# KiCad board 8851_HW-U1-VCU118_REV2-0_071417.kicad_pcb (continued)
## Routing (per net, layer and track width the routed paths; a pad name or vN(x,y) marks a point on that pad's centre or on a via; arc(x,y) is an arc through that point) (continued)
  07_SIG3 w0.258: 81,36.42 81.11,36.31 81.11,35.66 81.23,35.54 81.51,35.54 81.65,35.67 81.65,36.64 81.77,36.76 82.04,36.76 82.2,36.61 82.2,35.67 82.33,35.54 82.61,35.54 82.75,35.67 82.75,36.64 82.87,36.76 83.14,36.76 83.3,36.61 83.3,36 83.44,35.86 83.71,35.86 83.85,36 83.85,36.32 85.06,37.54 92.76,37.54 96.14,40.92 97.21,40.92 97.89,41.6
  BOTTOM w0.15: 79.48,36.46 v1(79.88,36.85)
DDR4_C1_DQ9: length 53.9
  TOP w0.15: 107.02,60.38 v2(106.53,59.88)
  07_SIG3 w0.17: v2(106.53,59.88) 107.02,59.39 107.02,58.7 106.74,58.41 106.33,58.41 106.04,58.12 106.04,54.72 105.79,54.47 105.33,54.47 105.1,54.25 105.1,53.7 104.88,53.47 104.35,53.47 104.05,53.17 104.05,52.85 103.67,52.47 103.33,52.47 103.08,52.22 103.08,51.78 102.8,51.5 102.35,51.5 102.1,51.25 102.1,50.85 101.83,50.58 100.45,50.58 100.18,50.31 100.18,49.88 99.83,49.53 99.45,49.53 99.14,49.22 99.14,48.81 98.96,48.62 98.39,48.62 98.12,48.36 98.12,47.87 97.81,47.56 96.5,47.56 96.22,47.28 96.22,44.85 95.95,44.58 95.44,44.58 95.28,44.41 95.28,43.99 94.86,43.58 94.5,43.58 94.07,43.14 94.07,42.32 94.16,42.22 94.16,42.04 94.01,41.9 93.77,41.9 93.71,41.96 93.5,41.96 92.79,41.25 ; v1(79.09,40.79) 79.48,40.4 80.9,40.4
  07_SIG3 w0.258: 80.9,40.4 82.88,40.4 83.36,39.91 83.72,39.91 83.97,40.16 83.97,40.79 83.78,40.98 83.78,41.75 83.98,41.95 84.19,41.95 84.96,41.19 85.18,41.19 85.33,41.34 85.33,41.54 84.56,42.32 84.56,42.53 84.78,42.75 85.33,42.75 85.53,42.55 85.53,42.38 86.26,41.65 86.72,41.65 86.94,41.87 87.71,41.87 88,41.58 88.36,41.58 88.65,41.87 88.97,41.87 89.11,41.73 89.11,41.39 89.25,41.25 89.52,41.25 89.66,41.39 89.66,41.73 89.8,41.87 90.07,41.87 90.21,41.73 90.21,41.29 90.35,41.15 90.62,41.15 90.76,41.29 90.76,41.73 90.9,41.87 91.17,41.87 91.31,41.73 91.31,41.18 91.44,41.05 91.71,41.05 91.86,41.2 91.86,41.73 92,41.87 92.27,41.87 92.41,41.73 92.41,41.39 92.55,41.25 92.79,41.25
  BOTTOM w0.15: 78.7,40.4 v1(79.09,40.79)
DDR4_C1_DQ10: length 54
  TOP w0.15: 105.06,59.39 v2(104.56,58.9)
  07_SIG3 w0.17: v2(104.56,58.9) 104.56,58.66 104.07,58.17 104.07,57.71 103.78,57.42 103.38,57.42 103.09,57.14 103.09,56.73 102.8,56.44 102.39,56.44 102.1,56.15 102.1,55.69 101.88,55.47 101.37,55.47 101.12,55.22 101.12,54.72 100.91,54.5 100.4,54.5 100.11,54.21 100.11,53.74 99.86,53.49 99.41,53.49 99.16,53.24 99.16,52.81 98.85,52.49 98.47,52.49 98.17,52.19 98.17,51.73 97.97,51.53 96.51,51.53 96.2,51.21 96.2,50.72 95.99,50.51 95.42,50.51 95.14,50.23 95.14,49.83 94.84,49.53 94.46,49.53 94.23,49.31 94.23,48.74 94.04,48.56 93.4,48.56 92.9,48.05 ; v1(78.3,36.85) 77.5,37.66 75.09,37.66 74.95,37.8 74.95,38.02 75.14,38.21 76.02,38.21 76.34,38.52 76.34,42.3
  07_SIG3 w0.258: 92.9,48.05 92.76,47.91 91.64,47.91 91.51,47.77 91.51,47.22 91.37,47.08 91.09,47.08 90.96,47.22 90.96,47.77 90.82,47.91 90.54,47.91 90.41,47.77 90.41,47.22 90.27,47.08 89.99,47.08 89.86,47.22 89.86,47.77 89.72,47.91 89.44,47.91 89.31,47.77 89.31,47.22 89.17,47.08 88.89,47.08 88.76,47.22 88.76,47.77 88.62,47.91 88.34,47.91 88.21,47.77 88.21,47.22 88.07,47.08 87.79,47.08 87.66,47.22 87.66,47.77 87.52,47.91 87.26,47.91 84.78,45.43 79.2,45.43 76.34,42.56 76.34,42.3
  BOTTOM w0.15: 77.91,36.46 v1(78.3,36.85)
DDR4_C1_DQ11: length 53.9
  TOP w0.15: v2(104.56,57.92) 105.06,58.41
  07_SIG3 w0.17: v2(104.56,57.92) 104.56,57.61 104.07,57.12 104.07,56.73 103.78,56.44 103.38,56.44 103.09,56.15 103.09,55.75 102.82,55.48 102.37,55.48 102.09,55.21 102.09,54.72 101.85,54.47 101.34,54.47 101.11,54.24 101.11,53.71 100.88,53.48 100.35,53.48 100.13,53.26 100.13,52.76 99.88,52.51 99.38,52.51 99.14,52.27 99.14,51.75 98.92,51.52 98.43,51.52 98.12,51.21 98.12,50.8 97.84,50.52 96.5,50.52 96.19,50.21 96.19,49.78 95.93,49.53 95.44,49.53 95.21,49.3 95.21,48.83 94.95,48.57 94.52,48.57 94.22,48.27 94.22,47.77 93.99,47.53 93.4,47.53 93.1,47.22 92.9,47.22 ; 77.12,42.3 77.12,38.96 76.78,38.62 76.78,38.25 76.95,38.07 77.73,38.07 77.99,38.33 77.99,38.9 v1(78.3,39.21)
  07_SIG3 w0.258: 77.12,42.3 77.12,42.62 79.29,44.78 85.05,44.78 86.71,46.44 87.05,46.44 87.19,46.3 87.19,45.54 87.33,45.41 87.6,45.41 87.74,45.54 87.74,46.3 87.88,46.44 88.15,46.44 88.29,46.3 88.29,45.54 88.43,45.41 88.7,45.41 88.84,45.54 88.84,46.3 88.98,46.44 89.25,46.44 89.39,46.3 89.39,45.54 89.53,45.41 89.8,45.41 89.94,45.54 89.94,46.3 90.08,46.44 90.35,46.44 90.49,46.3 90.49,45.54 90.63,45.41 90.9,45.41 91.04,45.54 91.04,46.3 91.18,46.44 91.45,46.44 91.59,46.3 91.59,45.54 91.73,45.41 92,45.41 92.14,45.54 92.14,46.8 92.56,47.22 92.9,47.22
  BOTTOM w0.15: 77.91,39.61 v1(78.3,39.21)
DDR4_C1_DQ12: length 54.2
  TOP w0.15: 106.04,60.38 v2(105.55,59.88)
  07_SIG3 w0.17: v2(105.55,59.88) 106.04,60.38 107.71,60.38 108.05,60.03 108.05,59.67 108.32,59.41 108.68,59.41 109.04,59.05 109.04,58.62 109.26,58.4 109.71,58.4 109.98,58.14 109.98,53.83 109.64,53.49 109.34,53.49 108.99,53.14 108.99,52.79 108.7,52.5 108.3,52.5 108.01,52.21 108.01,51.81 107.72,51.52 107.31,51.52 107.02,51.23 107.02,50.82 106.74,50.53 106.33,50.53 106.04,50.25 106.04,49.84 105.75,49.55 105.34,49.55 105.06,49.26 105.06,48.85 104.77,48.57 104.36,48.57 104.07,48.28 104.07,47.87 103.78,47.58 103.41,47.58 103.09,47.26 103.09,46.91 102.78,46.6 102.47,46.6 102.1,46.23 102.1,45.92 101.79,45.61 101.42,45.61 101.12,45.31 101.12,45 100.75,44.63 100.52,44.63 100.13,44.24 100.13,44.04 99.74,43.64 99.53,43.64 99.19,43.31 99.19,41.79 98.91,41.51 ; v1(78.3,35.28) 78.7,34.88 80.33,34.88
  07_SIG3 w0.258: 98.91,41.51 97.41,40.01 96.21,40.01 93.1,36.9 85.75,36.9 83.73,34.88 80.33,34.88
  BOTTOM w0.15: 77.91,35.67 v1(78.3,35.28)
DDR4_C1_DQ13: length 54.1
  TOP w0.15: 106.04,59.39 v2(105.55,58.9)
  07_SIG3 w0.17: 93.29,42.56 93.45,42.72 93.45,43.38 93.72,43.64 93.99,43.64 94.22,43.88 94.22,45.33 94.48,45.58 94.92,45.58 95.21,45.87 95.21,47.28 95.47,47.54 95.97,47.54 96.21,47.78 96.21,48.33 96.44,48.56 97.84,48.56 98.19,48.9 98.19,49.22 98.53,49.55 98.88,49.55 99.19,49.85 99.19,50.35 99.36,50.53 99.94,50.53 100.19,50.78 100.19,51.26 100.4,51.47 101.79,51.47 102.08,51.75 102.08,52.2 102.35,52.47 102.83,52.47 103.1,52.75 103.1,53.2 103.35,53.45 103.8,53.45 104.05,53.7 104.05,54.17 104.33,54.45 104.81,54.45 105.06,54.7 105.06,58.41 v2(105.55,58.9) ; 80.9,41.18 78.7,41.18 v1(78.3,40.79)
  07_SIG3 w0.258: 80.9,41.18 82.83,41.18 83.15,41.51 83.15,42.03 83.47,42.34 83.48,42.34 84.26,43.12 84.26,43.13 84.51,43.38 86.03,43.38 86.16,43.25 86.16,42.64 86.3,42.51 86.58,42.51 86.71,42.64 86.71,43.25 86.85,43.38 87.12,43.38 87.26,43.25 87.26,42.64 87.4,42.51 87.67,42.51 87.81,42.64 87.81,43.45 87.96,43.59 88.24,43.59 88.36,43.47 88.36,42.64 88.5,42.51 88.78,42.51 88.91,42.64 88.91,43.45 89.06,43.59 89.34,43.59 89.46,43.47 89.46,42.64 89.6,42.51 89.88,42.51 90.01,42.64 90.01,43.45 90.16,43.59 90.44,43.59 90.56,43.47 90.56,42.64 90.7,42.51 90.97,42.51 91.11,42.64 91.11,43.45 91.26,43.59 91.54,43.59 91.66,43.47 91.66,42.64 91.8,42.51 92.08,42.51 92.21,42.64 92.21,43.45 92.36,43.59 92.64,43.59 92.76,43.47 92.76,42.7 92.9,42.56 93.29,42.56
  BOTTOM w0.15: 77.91,40.4 v1(78.3,40.79)
DDR4_C1_DQ14: length 54.7
  TOP w0.15: v2(105.55,57.92) 106.04,58.41
  07_SIG3 w0.17: 75.55,42.3 75.55,38.75 75.39,38.6 73.64,38.6 73.53,38.49 73.53,37.38 73.64,37.27 77.1,37.27 v1(77.52,36.85) ; 92.9,48.96 93.48,49.54 94.02,49.54 94.24,49.76 94.24,50.23 94.52,50.51 94.97,50.51 95.22,50.76 95.22,51.29 95.47,51.54 95.98,51.54 96.21,51.77 96.21,52.26 96.47,52.53 97.91,52.53 98.17,52.79 98.17,53.27 98.37,53.47 98.93,53.47 99.18,53.72 99.18,54.22 99.46,54.49 99.84,54.49 100.15,54.79 100.15,55.21 100.4,55.46 100.89,55.46 101.12,55.68 101.12,56.15 101.41,56.44 101.81,56.44 102.1,56.73 102.1,57.14 102.39,57.42 102.8,57.42 103.09,57.71 103.09,58.12 103.38,58.41 103.78,58.41 104.07,58.7 104.07,59.1 104.36,59.39 105.75,59.39 106.04,59.1 106.04,58.69 105.55,58.2 v2(105.55,57.92)
  07_SIG3 w0.258: 75.55,42.3 75.55,42.52 79.15,46.12 84.52,46.12 86.97,48.57 92.5,48.57 92.9,48.96
  BOTTOM w0.15: 77.12,36.46 v1(77.52,36.85)
  BOTTOM w0.375: 74.76,34.88 v1(75.15,34.49)
DDR4_C1_DQ15: length 54.3
  TOP w0.15: 105.06,57.42 105.06,57.42 v2(104.56,56.93)
  07_SIG3 w0.17: v2(104.56,56.93) 104.56,56.61 104.07,56.12 104.07,55.7 103.82,55.45 103.33,55.45 103.07,55.19 103.07,54.67 102.85,54.45 102.32,54.45 102.1,54.23 102.1,53.72 101.86,53.48 101.37,53.48 101.12,53.23 101.12,52.73 100.85,52.47 100.4,52.47 100.15,52.22 100.15,51.78 99.88,51.5 99.39,51.5 99.14,51.26 99.14,50.79 98.91,50.55 98.4,50.55 98.16,50.31 98.16,49.8 97.89,49.53 96.44,49.53 96.21,49.3 96.21,48.84 95.93,48.57 95.43,48.57 95.21,48.35 95.21,47.82 94.93,47.54 94.46,47.54 94.24,47.31 94.24,45.88 93.94,45.58 93.16,45.58 92.9,45.32 ; 77.91,42.3 77.91,39.61 v1(77.52,39.21)
  07_SIG3 w0.258: 77.91,42.3 77.91,42.79 78.51,43.39 78.76,43.39 78.89,43.25 78.89,42.52 79.03,42.38 79.31,42.38 79.44,42.52 79.44,43.88 79.72,44.15 80.06,44.15 80.19,44.02 80.19,42.51 80.39,42.32 81.03,42.32 81.43,42.71 81.43,43.66 81.53,43.77 81.86,43.77 81.96,43.67 81.96,41.97 82.09,41.84 82.37,41.84 82.51,41.98 82.51,42.85 82.63,42.97 83.21,42.97 83.62,43.39 83.62,43.88 83.84,44.09 85.26,44.09 85.92,44.74 86.23,44.74 86.37,44.6 86.37,44.38 86.5,44.24 86.78,44.24 86.92,44.38 86.92,44.6 87.05,44.74 87.33,44.74 87.47,44.6 87.47,44.38 87.6,44.24 87.88,44.24 88.02,44.38 88.02,44.6 88.15,44.74 88.43,44.74 88.57,44.6 88.57,44.38 88.7,44.24 88.98,44.24 89.12,44.38 89.12,44.6 89.25,44.74 89.53,44.74 89.67,44.6 89.67,44.38 89.8,44.24 90.08,44.24 90.22,44.38 90.22,44.6 90.35,44.74 90.63,44.74 90.77,44.6 90.77,44.38 90.9,44.24 91.18,44.24 91.32,44.38 91.32,44.6 91.45,44.74 91.73,44.74 91.87,44.6 91.87,44.38 92,44.24 92.28,44.24 92.42,44.38 92.42,44.83 92.9,45.32
  BOTTOM w0.15: 77.12,39.61 v1(77.52,39.21)
  BOTTOM w0.375: 72.4,34.88 v1(72,34.49)
DDR4_C1_DQ16: length 48.4
  TOP w0.15: 104.07,57.42 104.07,57.42 v2(103.58,56.93)
  03_SIG1 w0.17: 76.34,61.8 76.34,62.46 76.17,62.63 75.27,62.63 75.15,62.75 v1(75.15,63.03) ; 92.9,53.49 100.83,53.49 101.12,53.78 101.12,54.18 101.41,54.47 101.82,54.47 102.1,54.76 102.1,55.17 102.39,55.46 102.8,55.46 103.09,55.74 103.09,56.44 v2(103.58,56.93)
  03_SIG1 w0.258: 92.9,53.49 92.65,53.49 92.51,53.63 92.51,53.76 92.37,53.9 92.12,53.9 91.96,53.73 91.96,53.63 91.82,53.49 91.55,53.49 91.41,53.63 91.41,53.76 91.25,53.92 91,53.92 90.86,53.78 90.86,53.63 90.72,53.49 89.9,53.49 89.89,53.49 88.09,53.49 87.96,53.61 87.77,53.61 87.58,53.42 87.38,53.42 87.19,53.61 87.19,53.81 87.38,54 87.38,54.19 87.19,54.39 86.99,54.39 86.8,54.2 86.6,54.2 86.41,54.39 86.41,54.58 86.6,54.78 86.6,54.97 86.41,55.17 86.21,55.17 86.02,54.97 85.83,54.97 85.63,55.17 85.63,55.36 85.82,55.55 85.82,55.75 85.63,55.94 85.44,55.94 85.24,55.75 85.05,55.75 84.85,55.95 84.85,56.14 85.05,56.33 85.05,56.53 84.7,56.87 83.72,56.87 83.31,56.46 83.17,56.46 82.94,56.69 82.94,56.89 83.28,57.23 83.28,57.44 83.08,57.64 82.86,57.64 82.59,57.37 82.27,57.37 82.1,57.54 82.1,57.86 81.97,57.99 81.27,57.99 80.99,58.26 80.99,58.58 80.77,58.8 80.5,58.8 79.67,57.96 79.26,57.96 79.05,58.17 79.05,58.51 80.11,59.56 80.11,59.82 79.92,60.01 79.66,60.01 78.87,59.21 78.51,59.21 77.26,60.47 77.26,60.74 77.87,61.36 77.87,61.55 77.68,61.75 77.38,61.75 76.85,61.22 76.52,61.22 76.34,61.41 76.34,61.8
  BOTTOM w0.15: 74.76,63.42 v1(75.15,63.03)
DDR4_C1_DQ17: length 49.8
  TOP w0.15: 103.09,57.42 103.09,57.42 v2(102.6,56.93)
  TOP w0.375: U1.K16 v2(108.5,78.59)
  03_SIG1 w0.17: 92.9,54.47 100.83,54.47 101.12,54.76 101.12,55.17 101.41,55.46 101.82,55.46 102.1,55.74 102.1,56.17 102.6,56.67 v2(102.6,56.93) ; v1(75.94,66.96) 76.12,66.96 76.29,66.79 76.29,66.53 76.17,66.4 75.38,66.4 74.65,65.67 74.21,65.67 74.12,65.58 74.12,65.34 74.33,65.13 74.68,65.13 74.76,65.05 74.76,64.44 74.99,64.21 79.32,64.21 79.48,64.04 79.48,61.98 79.3,61.8
  03_SIG1 w0.258: 79.3,61.8 79.3,61.79 78.56,61.79 78.37,61.6 78.37,61.3 78.6,61.07 79.46,61.07 79.85,61.46 80.09,61.46 80.31,61.24 80.31,60.96 80.11,60.76 80.11,60.57 80.7,59.97 80.94,59.97 81.42,60.45 81.86,60.45 82.19,60.79 83.29,60.79 83.43,60.65 83.43,59.56 83.26,59.39 82.19,59.39 82.02,59.22 82.02,58.87 82.42,58.47 83.17,58.47 83.65,57.99 84.48,57.99 88.36,54.12 89.43,54.12 89.89,54.58 92.67,54.58 92.78,54.47 92.9,54.47
  BOTTOM w0.15: 75.55,67.36 v1(75.94,66.96)
  vias: v1(72,63.81)
DDR4_C1_DQ18: length 51
  TOP w0.15: 104.07,59.39 v2(103.58,58.9)
  03_SIG1 w0.17: v1(74.37,64.6) 74.37,64.37 74.76,63.98 74.76,61.8 ; 92.9,52.5 100.83,52.5 101.12,52.79 101.12,53.2 101.41,53.49 101.81,53.49 102.1,53.78 102.1,54.18 102.39,54.47 102.8,54.47 103.09,54.76 103.09,55.17 103.38,55.46 103.78,55.46 104.07,55.74 104.07,58.41 v2(103.58,58.9)
  03_SIG1 w0.258: 74.76,61.8 74.76,61.31 74.94,61.13 75.13,61.13 75.38,61.38 75.57,61.38 75.77,61.18 75.77,60.99 75.52,60.75 75.52,60.55 75.72,60.36 75.91,60.36 76.16,60.6 76.35,60.6 76.54,60.41 76.54,60.21 76.25,59.92 76.25,59.74 76.44,59.54 76.65,59.54 76.86,59.75 77.01,59.75 77.21,59.55 77.21,59.32 77.08,59.19 77.08,59 77.27,58.8 77.47,58.8 77.71,59.04 77.91,59.04 78.1,58.85 78.1,58.66 77.86,58.41 77.86,58.22 78.71,57.37 80.63,57.37 81.14,56.86 81.85,56.86 83.01,55.7 84.15,55.7 87.7,52.16 87.95,52.16 88.09,52.29 88.09,52.69 88.23,52.83 88.63,52.83 88.77,52.69 88.77,52.29 88.91,52.16 89.18,52.16 89.32,52.29 89.32,52.69 89.46,52.83 89.73,52.83 89.87,52.69 89.87,52.29 90.01,52.16 90.28,52.16 90.42,52.29 90.42,52.69 90.56,52.83 90.83,52.83 90.97,52.69 90.97,52.29 91.11,52.16 91.38,52.16 91.52,52.29 91.52,52.69 91.66,52.83 91.93,52.83 92.07,52.69 92.07,52.29 92.21,52.16 92.43,52.16 92.78,52.5 92.9,52.5
  BOTTOM w0.15: 73.97,64.21 v1(74.37,64.6)
DDR4_C1_DQ19: length 52.1
  TOP w0.15: 103.09,59.39 v2(102.6,58.9)
  03_SIG1 w0.17: v1(74.37,66.96) 73.97,66.57 73.42,66.57 73.19,66.8 73.19,67.13 72.95,67.36 72.63,67.36 72.4,67.59 72.4,69.7 72.05,70.05 ; 92.9,63.28 92.9,61.01 93.53,60.38 99.85,60.38 100.13,60.09 100.13,59.68 100.42,59.39 102.1,59.39 v2(102.6,58.9)
  03_SIG1 w0.258: 72.05,70.05 71.97,70.12 69.66,70.12 69.52,70.27 69.52,72.28 70.14,72.9 75.78,72.9 78.2,70.47 80.4,70.47 81.36,69.51 83.44,69.51 83.59,69.67 86.51,69.67 92.9,63.28
  BOTTOM w0.15: 73.97,67.36 v1(74.37,66.96)
DDR4_C1_DQ20: length 52.9
  TOP w0.15: v2(101.61,57.92) 102.1,58.41
  TOP w0.375: v2(109.49,79.57) U1.J17
  03_SIG1 w0.17: v2(101.61,57.92) 101.12,58.41 93.42,58.41 92.9,58.93 ; v1(74.37,63.03) 73.97,63.42 73.97,64.99 73.86,65.11 73.55,65.11 73.36,65.3 73.36,65.76 73.61,66.01 74.33,66.01 74.76,66.45 74.76,67.13 74.53,67.36 74.2,67.36 73.97,67.59 73.97,68.7 74.2,68.93 80.12,68.93 80.33,68.73
  03_SIG1 w0.258: 80.33,68.73 81.06,67.99 81.59,67.99 82.15,67.42 82.15,67.23 82.73,66.65 82.92,66.65 83.18,66.9 83.39,66.9 83.59,66.71 83.59,66.51 83.35,66.28 83.35,66.03 83.59,65.79 83.59,65.52 83.88,65.23 84.7,65.23 84.86,65.39 84.86,65.58 84.21,66.23 84.21,66.5 84.43,66.72 84.6,66.72 85.34,65.97 85.53,65.97 85.77,66.21 85.77,66.41 85.14,67.05 85.14,67.34 85.83,68.03 86.14,68.03 86.54,67.63 86.54,67.44 86.15,67.05 86.15,66.9 86.61,66.44 86.9,66.44 87.05,66.59 87.05,66.83 87.2,66.98 87.4,66.98 88.88,65.5 88.88,65.31 88.76,65.19 88.76,65.01 88.95,64.82 89.17,64.82 89.26,64.92 89.46,64.92 91.5,62.88 91.5,60.33 92.9,58.93
  BOTTOM w0.15: 73.97,63.42 v1(74.37,63.03)
DDR4_C1_DQ21: length 51.9
  TOP w0.15: v2(100.63,57.92) 101.12,58.41
  03_SIG1 w0.17: 92.9,58.03 93.5,57.42 93.94,57.42 93.94,57.42 100.54,57.42 100.63,57.51 v2(100.63,57.92) ; v1(74.37,68.54) 74.54,68.54 74.76,68.32 74.76,67.59 74.99,67.36 75.32,67.36 75.54,67.59 75.54,67.62 75.55,67.63 75.55,68.01 75.68,68.15 76.1,68.15 76.33,67.91 76.33,67.6 76.57,67.36 76.95,67.36 77.13,67.54 77.13,68.04 77.24,68.15 80.12,68.15 80.33,67.94 80.33,67.09
  03_SIG1 w0.258: 80.33,67.09 80.53,66.89 81.01,66.89 81.26,66.64 81.83,66.64 82.91,65.56 82.91,65.24 83.38,64.77 83.38,64.19 83.49,64.08 83.92,64.08 84.07,64.23 84.07,64.41 84.23,64.57 84.58,64.57 84.78,64.37 84.78,63.49 85.64,62.63 85.97,62.63 86.32,62.28 86.32,61.95 86.63,61.64 86.87,61.64 89.23,64.01 89.42,64.01 89.63,63.8 89.63,63.53 87.3,61.2 87.3,60.94 88.24,59.99 88.44,59.99 88.75,60.3 88.75,60.65 88.33,61.07 88.33,61.34 88.61,61.61 88.79,61.61 89.57,60.83 89.87,60.83 90.07,61.03 90.07,61.35 89.36,62.06 89.36,62.37 90.08,63.09 90.34,63.09 90.81,62.62 90.83,62.62 90.83,60.09 92.9,58.03
  BOTTOM w0.15: 73.97,68.15 v1(74.37,68.54)
DDR4_C1_DQ22: length 54.2
  TOP w0.15: v2(100.63,59.88) 101.12,60.38
  TOP w0.375: U1.H19 v2(111.45,80.55)
  03_SIG1 w0.17: 92.9,51.52 100.83,51.52 101.12,51.81 101.12,52.21 101.41,52.5 101.81,52.5 102.1,52.79 102.1,53.2 102.39,53.49 102.8,53.49 103.09,53.78 103.09,54.18 103.38,54.47 103.78,54.47 104.07,54.76 104.07,55.17 104.36,55.46 104.77,55.46 105.06,55.74 105.06,59.1 104.77,59.39 104.36,59.39 104.07,59.68 104.07,61.08 103.79,61.36 101.41,61.36 101.12,61.07 101.12,60.38 v2(100.63,59.88) ; 73.33,61.8 73.19,61.94 73.19,64.21 v1(73.58,64.6)
  03_SIG1 w0.258: 92.9,51.52 87.43,51.52 84.41,54.54 82.94,54.54 81.81,55.67 81.13,55.67 80.25,56.56 78.56,56.56 73.33,61.8
  BOTTOM w0.15: 73.19,64.21 v1(73.58,64.6)
DDR4_C1_DQ23: length 53
  TOP w0.15: v2(100.63,58.9) 101.12,59.39
  03_SIG1 w0.17: 80.33,69.64 80.06,69.9 77.38,69.9 77.22,70.05 ; 92.9,59.83 93.34,59.39 99.87,59.39 100.37,58.9 v2(100.63,58.9) ; 73.19,70.05 73.19,67.59 73.58,67.2 v1(73.58,66.96)
  03_SIG1 w0.258: 73.19,70.05 73.19,70.25 72.69,70.75 70.53,70.75 70.35,70.92 70.35,72.15 70.53,72.33 71.89,72.33 72.03,72.2 72.03,71.53 72.17,71.39 72.55,71.39 72.68,71.52 72.68,72.2 72.82,72.33 74.26,72.33 74.4,72.19 74.4,71.03 74.55,70.88 74.97,70.88 75.11,71.01 75.11,71.81 75.24,71.95 75.88,71.95 76.04,71.78 76.04,71.04 75.51,70.51 75.51,70.31 75.71,70.12 76.08,70.12 76.54,70.57 76.7,70.57 77.22,70.05 ; 80.33,69.64 81.29,68.67 81.8,68.67 82.8,67.67 84.46,67.67 85.53,68.75 86.54,68.75 92.17,63.11 92.17,60.55 92.9,59.83
  BOTTOM w0.15: 73.19,67.36 v1(73.58,66.96)
DDR4_C1_DQ24: length 40.3
  TOP w0.15: v2(98.66,59.88) 99.15,60.38
  07_SIG3 w0.17: 92.9,53.83 93.54,54.47 97.9,54.47 98.19,54.76 98.19,55.22 98.37,55.4 98.9,55.4 99.15,55.65 99.15,56.15 99.44,56.44 99.85,56.44 100.13,56.73 100.13,57.14 99.85,57.42 99.44,57.42 99.15,57.71 99.15,59.2 98.66,59.69 v2(98.66,59.88) ; 79.49,61.8 79.49,64.21 v1(79.88,64.6)
  07_SIG3 w0.258: 79.49,61.8 79.49,59.83 79.62,59.7 80.17,59.7 80.31,59.56 80.31,59.28 80.17,59.15 79.62,59.15 79.49,59.01 79.49,58.73 79.62,58.6 80.17,58.6 80.31,58.46 80.31,58.18 80.17,58.05 79.62,58.05 79.49,57.91 79.49,57.49 81.05,55.92 81.05,54.74 81.25,54.54 81.85,54.54 82.86,53.53 84.42,53.53 84.77,53.18 92.25,53.18 92.9,53.83
  BOTTOM w0.15: 79.48,64.21 v1(79.88,64.6)
DDR4_C1_DQ25: length 40.1
  TOP w0.15: v2(98.66,58.9) 99.15,59.39
  TOP w0.375: U1.F18 v2(110.47,82.52)
  07_SIG3 w0.17: 80.33,68.83 80.22,68.93 79.72,68.93 79.32,68.54 v1(79.09,68.54) ; v2(98.66,58.9) 98.66,59.23 98.5,59.39 92.9,59.39
  07_SIG3 w0.258: 92.9,59.39 92.62,59.39 92.29,59.72 91.88,59.72 91.75,59.6 91.75,58.64 91.57,58.47 91.3,58.47 91.16,58.61 91.16,59.6 91.03,59.73 90.76,59.73 90.61,59.59 90.61,58.8 90.47,58.67 90.2,58.67 90.06,58.8 90.06,59.6 89.93,59.73 89.66,59.73 89.51,59.59 89.51,58.8 89.37,58.67 89.1,58.67 88.96,58.8 88.96,59.6 88.83,59.73 88.56,59.73 88.41,59.59 88.41,58.8 88.27,58.67 88,58.67 87.86,58.8 87.86,59.6 87.73,59.73 87.46,59.73 87.31,59.59 87.31,58.8 87.17,58.67 86.9,58.67 86.76,58.8 86.76,59.6 86.63,59.73 86.36,59.73 86.21,59.59 86.21,58.8 86.07,58.67 85.72,58.67 85.22,59.16 85.22,61.92 84.12,63.03 84.12,65.28 82.32,67.08 82.32,67.17 81.83,67.66 81.83,68.16 81.64,68.34 80.81,68.34 80.33,68.83
  BOTTOM w0.15: 78.7,68.15 v1(79.09,68.54)
DDR4_C1_DQ26: length 39.7
  TOP w0.15: v2(97.67,59.88) 98.17,60.38
  07_SIG3 w0.17: v1(78.3,64.6) 77.86,65.05 77.33,65.05 77.12,65.25 77.12,67.91 77.35,68.15 78.47,68.15 78.7,68.38 78.7,68.7 78.93,68.93 79.25,68.93 79.48,69.16 79.48,69.49 79.72,69.72 80.33,69.72 ; 92.9,60.38 97.18,60.38 v2(97.67,59.88)
  07_SIG3 w0.258: 80.33,69.72 80.33,69.72 81.07,68.98 82.25,68.98 82.51,68.73 82.51,67.88 83.19,67.19 83.19,67.11 84,66.3 84.5,66.3 84.78,66.03 84.78,63.28 85.88,62.17 85.88,60.52 86.02,60.38 86.29,60.38 86.42,60.51 86.42,60.85 86.56,60.99 86.84,60.99 86.97,60.85 86.97,60.51 87.11,60.38 87.39,60.38 87.52,60.51 87.52,60.85 87.66,60.99 87.94,60.99 88.07,60.85 88.07,60.51 88.21,60.38 88.49,60.38 88.62,60.51 88.62,60.85 88.76,60.99 89.04,60.99 89.17,60.85 89.17,60.51 89.31,60.38 89.59,60.38 89.72,60.51 89.72,60.85 89.86,60.99 90.14,60.99 90.27,60.85 90.27,60.51 90.41,60.38 90.69,60.38 90.82,60.51 90.82,60.85 90.96,60.99 91.24,60.99 91.37,60.85 91.37,60.51 91.51,60.38 91.79,60.38 91.92,60.51 91.92,60.85 92.06,60.99 92.34,60.99 92.47,60.85 92.47,60.51 92.61,60.38 92.9,60.38
  BOTTOM w0.15: 77.91,64.21 v1(78.3,64.6)
DDR4_C1_DQ27: length 39.4
  TOP w0.15: v2(97.67,58.9) 98.17,59.39
  07_SIG3 w0.17: 92.9,58.41 97.5,58.41 97.67,58.58 v2(97.67,58.9) ; 80.33,67.92 80.1,68.15 78.93,68.15 78.7,67.91 78.7,67.59 78.3,67.2 v1(78.3,66.96)
  07_SIG3 w0.258: 92.9,58.41 92.61,58.41 91.31,57.11 91.12,57.11 90.98,57.25 90.98,57.87 90.85,58.01 90.57,58.01 90.43,57.87 90.43,57.24 90.28,57.08 90.02,57.08 89.88,57.22 89.88,57.87 89.75,58.01 89.47,58.01 89.33,57.87 89.33,57.24 89.18,57.08 88.92,57.08 88.78,57.22 88.78,57.87 88.65,58.01 88.37,58.01 88.23,57.87 88.23,57.24 88.08,57.08 87.82,57.08 87.68,57.22 87.68,57.87 87.55,58.01 87.27,58.01 87.13,57.87 87.13,57.24 86.98,57.08 86.72,57.08 86.58,57.22 86.58,57.87 86.45,58.01 86.17,58.01 86.03,57.87 86.03,57.24 85.88,57.08 85.46,57.08 85.28,57.27 85.28,57.92 85.15,58.05 85.15,58.3 84.58,58.88 84.58,61.49 84.32,61.75 83.83,61.75 83.43,62.14 83.43,63.15 82.83,63.75 82.83,64.09 83.06,64.32 83.25,64.32 83.47,64.54 83.47,64.86 83.25,65.09 83.06,65.09 82.83,65.31 82.83,65.67 81.87,66.62 81.26,66.62 80.9,66.99 80.9,67.52 80.71,67.71 80.54,67.71 80.33,67.92
  BOTTOM w0.15: 77.91,67.36 v1(78.3,66.96)
DDR4_C1_DQ28: length 40.1
  TOP w0.15: v2(99.64,60.87) 100.13,61.36
  07_SIG3 w0.17: 78.7,61.8 78.7,62.63 v1(78.3,63.03) ; v2(99.64,60.87) 100.13,60.38 100.13,57.71 100.42,57.42 100.83,57.42 101.12,57.14 101.12,56.73 100.83,56.44 100.42,56.44 100.13,56.15 100.13,55.69 99.89,55.45 99.41,55.45 99.18,55.21 99.18,54.64 99,54.46 98.41,54.46 98.2,54.26 98.2,53.83 97.85,53.49 93.5,53.49 92.9,52.89
  07_SIG3 w0.258: 78.7,61.8 78.7,57.38 80.4,55.68 80.4,54.23 82.29,52.34 85.14,52.34 85.29,52.49 92.5,52.49 92.9,52.89
  BOTTOM w0.15: 77.91,63.42 v1(78.3,63.03)
DDR4_C1_DQ29: length 40.3
  TOP w0.15: v2(98.66,60.87) 99.15,61.36
  TOP w0.375: U1.F20 v2(112.44,82.52)
  07_SIG3 w0.17: v2(98.66,60.87) 98.31,60.87 97.81,61.36 92.97,61.36 92.9,61.43 ; v1(78.3,68.54) 78.3,68.77 78.7,69.16 78.7,69.49 79.26,70.05 79.35,70.05
  07_SIG3 w0.258: 92.9,61.43 92.7,61.63 92.33,61.63 92.21,61.75 92.21,62.56 92.07,62.69 91.79,62.69 91.66,62.56 91.66,61.77 91.52,61.63 91.24,61.63 91.11,61.77 91.11,62.56 90.97,62.69 90.69,62.69 90.56,62.56 90.56,61.77 90.42,61.63 90.14,61.63 90.01,61.77 90.01,62.56 89.87,62.69 89.59,62.69 89.46,62.56 89.46,61.77 89.32,61.63 86.75,61.63 86.53,61.85 86.53,62.12 86.78,62.38 86.78,62.43 88.62,62.43 88.85,62.66 88.85,65.28 87.7,66.42 85.39,66.42 85.27,66.54 85.27,67.37 85,67.65 83.69,67.65 83.28,68.05 83.28,69.17 82.83,69.62 81.33,69.62 80.58,70.37 79.67,70.37 79.35,70.05
  BOTTOM w0.15: 77.91,68.15 v1(78.3,68.54)
DDR4_C1_DQ30: length 38.9
  TOP w0.15: v2(97.67,57.92) 98.17,58.41
  TOP w0.375: v2(109.49,83.51) U1.E17
  07_SIG3 w0.17: v1(77.52,64.6) 77.91,64.21 78.57,64.21 78.7,64.33 78.7,64.98 78.82,65.1 79.95,65.1 80.33,64.73 80.33,61.8 ; 92.9,55.04 93.32,55.46 97.94,55.46 98.17,55.68 98.17,56.1 98.46,56.39 98.82,56.39 99.15,56.73 99.15,57.14 98.86,57.42 98.17,57.42 v2(97.67,57.92)
  07_SIG3 w0.258: 92.9,55.04 91.71,53.84 85.04,53.84 84.36,54.53 83.02,54.53 82.2,55.35 82.2,56.55 81.88,56.87 81.03,56.87 80.63,57.27 80.63,57.47 80.77,57.61 80.84,57.61 80.97,57.74 80.97,59.94 80.85,60.06 80.51,60.06 80.15,60.43 80.15,61.47 80.33,61.65 80.33,61.8
  BOTTOM w0.15: 77.12,64.21 v1(77.52,64.6)
  BOTTOM w0.375: 74.76,62.63 v1(75.15,62.24)
DDR4_C1_DQ31: length 36.9
  TOP w0.15: 97.18,57.42 97.18,57.42 v2(96.69,56.93)
  07_SIG3 w0.17: v2(96.69,56.93) 96.69,57.3 96.56,57.42 92.9,57.42 ; 80.33,66.56 80.33,66.62 80.27,66.68 80.27,67.13 80.04,67.36 78.93,67.36 78.7,67.13 78.7,65.44 78.52,65.27 78.42,65.27 78.3,65.39 78.3,66.47 78.21,66.56 78.01,66.56 77.92,66.46 77.92,65.51 77.84,65.42 77.64,65.42 77.52,65.55 v1(77.52,66.96)
  07_SIG3 w0.258: 80.33,66.56 81.42,65.46 81.91,65.46 82.2,65.18 82.2,63.46 82.75,62.9 82.75,61.92 83.34,61.34 83.34,58.23 83.58,57.99 84.31,57.99 84.58,57.72 84.58,56.53 85.09,56.01 85.46,56.01 85.9,56.45 90.42,56.45 90.8,56.07 91.17,56.07 92.52,57.42 92.9,57.42
  BOTTOM w0.15: 77.12,67.36 v1(77.52,66.96)
  BOTTOM w0.375: v1(72,62.24) 72.4,62.63
